# Altium PCB Altair 8800 Panel v1.1.PcbDoc
Units mm, origin at the board's own origin, x right, y up, seen from the top; angles counter-clockwise.
Board outline 180.97 x 99.06 mm, 2 copper layers (F.Cu, B.Cu); 69 components, 113 nets, 322 pads, 27 vias.
Unrouted connection lines stored in the file: 1.
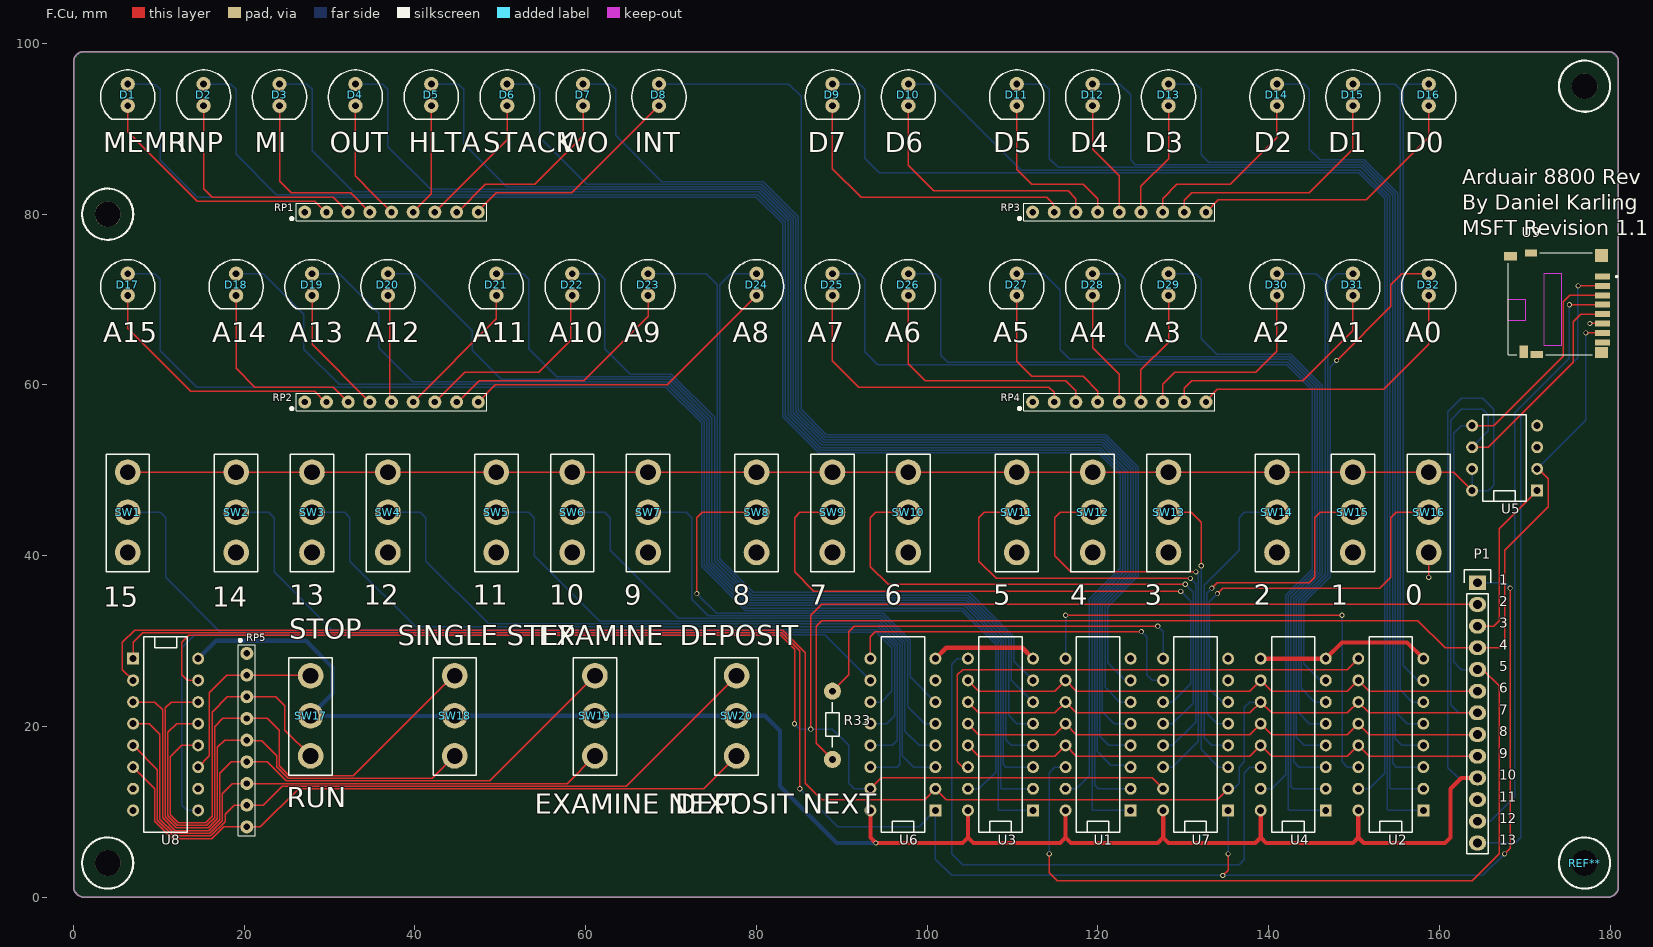
[diagram p0: F.Cu view]
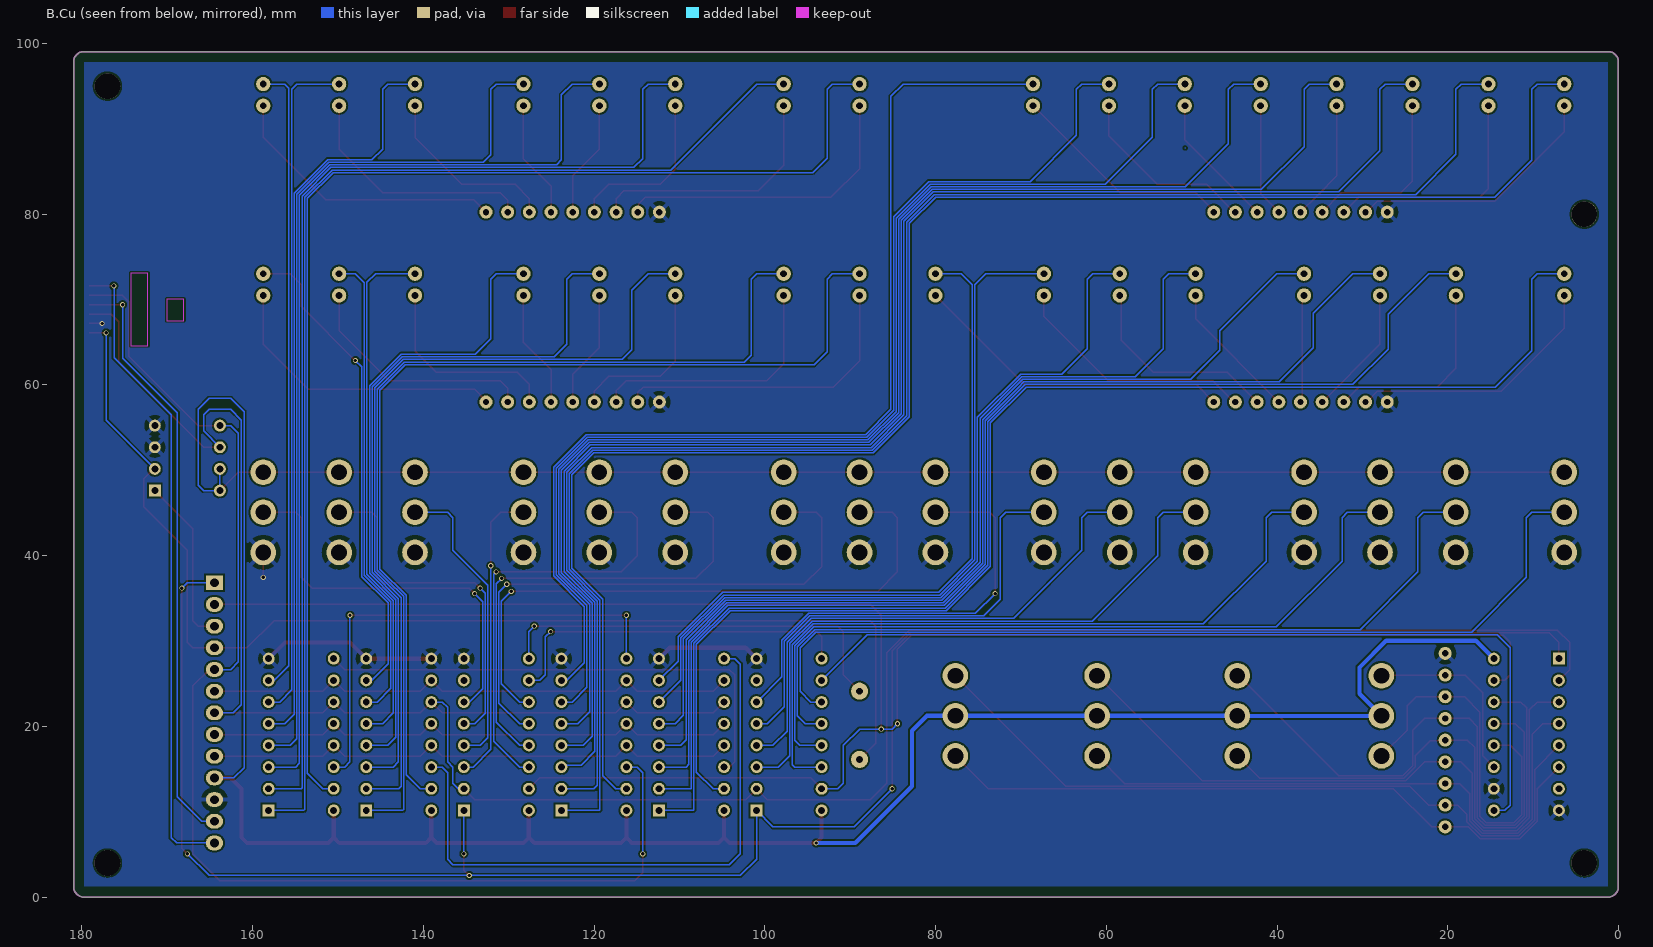
[diagram p1: B.Cu view, seen from below]

## Layer stack, top to bottom
F.Mask: solder mask 0.0102, Solder Resist, Dk 3.5
F.Cu: signal copper 0.0356
Dielectric 1: dielectric 0.32, FR-4, Dk 4.8
B.Cu: signal copper 0.0356
B.Mask: solder mask 0.0102, Solder Resist, Dk 3.5

## Board outline
0,1.27 ccw(c1.27,1.27) 1.27,0 179.705,0 ccw(c179.705,1.27) 180.975,1.27 180.975,97.79 ccw(c179.705,97.79) 179.705,99.06 1.27,99.06 ccw(c1.27,97.79) 0,97.79

## Design rules (kind name [scope] priority, off if disabled: settings)
Clearance "Clearence 0.508_Polygon" [InNamedPolygon('B.Cu-GND')] p1: gap=0.2 ignorepadtopadclearanceinfootprint=FALSE
Clearance "Clearence 0.2_NetClass" [InNetClass('Default')] p2: gap=0.152 ignorepadtopadclearanceinfootprint=FALSE
HoleSize "Hole Size (Default)" [All] p1: absolutevalues=TRUE maxlimit=10 minlimit=0.3 maxpercent=80.000 minpercent=20.000
MinimumSolderMaskSliver [All] p1: minsoldermaskwidth=0
PolygonConnect Polygon_B.Cu-GND_ConnectDirect [IsNamedPolygon('B.Cu-GND') vs IsVia] p1: connectstyle=Direct reliefconductorwidth=0.254 reliefentries=4 polygonreliefangle="90 Angle" airgapwidth=0.254
PolygonConnect Polygon_B.Cu-GND_ConnectRelief45 [IsNamedPolygon('B.Cu-GND') vs (IsThruPin or IsSMTPin) and (PadShape_AllLayers = 'Round')] p2: connectstyle=Relief reliefconductorwidth=0.508 reliefentries=4 polygonreliefangle="45 Angle" airgapwidth=0.508
PolygonConnect Polygon_B.Cu-GND_ConnectRelief90 [IsNamedPolygon('B.Cu-GND') vs (IsThruPin or IsSMTPin) and (PadShape_AllLayers <> 'Round')] p3: connectstyle=Relief reliefconductorwidth=0.508 reliefentries=4 polygonreliefangle="90 Angle" airgapwidth=0.508
RoutingVias [All] p1: holewidth=0.711 width=1.27 viastyle="Through Hole" minholewidth=0.711 minwidth=1.27 maxholewidth=0.711 maxwidth=1.27
SilkToSilkClearance [All] p1: silktosilkclearance=0
SilkToSolderMaskClearance [IsPad] p1: minsilkscreentomaskgap=0 clearancetoexposedcopper=TRUE
SolderMaskExpansion [All] p1: expansion=0.102 istentingtop=FALSE
Width [All] p1: maxlimit=10 minlimit=0.152 preferedwidth=0.152 minimp=50.000000 maximp=50.000000 favimp=50.000000
26 further rules are at their usual default settings.

## Classes and differential pairs
net class Default: CLK GND LA1 LA2 LA3 LA4 LA5 LA6 LA7 LA8 LB1 LB2 LB3 LB4 LB5 LB6 LB7 LB8 LC1 LC2 LC3 LC4 LC5 LC6 LC7 LC8 LD1 LD2 LD3 LD4 LD5 LD6 LD7 LD8 LEDSTORE MEM_CS MISO MOSI MR Net-(D1-Pad2) Net-(D2-Pad2) Net-(D3-Pad2) Net-(D4-Pad2) Net-(D5-Pad2) Net-(D6-Pad2) Net-(D7-Pad2) Net-(D8-Pad2) Net-(D9-Pad2) Net-(D10-Pad2) Net-(D11-Pad2) Net-(D12-Pad2) Net-(D13-Pad2) Net-(D14-Pad2) Net-(D15-Pad2) Net-(D16-Pad2) Net-(D17-Pad2) Net-(D18-Pad2) Net-(D19-Pad2) Net-(D20-Pad2) Net-(D21-Pad2) Net-(D22-Pad2) Net-(D23-Pad2) Net-(D24-Pad2) Net-(D25-Pad2) Net-(D26-Pad2) Net-(D27-Pad2) Net-(D28-Pad2) Net-(D29-Pad2) Net-(D30-Pad2) Net-(D31-Pad2) Net-(D32-Pad2) Net-(R33-Pad1) Net-(SW17-Pad2) Net-(SW18-Pad2) Net-(SW19-Pad2) Net-(SW20-Pad2) Net-(U1-Pad9) Net-(U2-Pad9) Net-(U3-Pad9) Net-(U6-Pad9) Net-(U6-Pad10) Net-(U9-Pad8) OE SD_SC SWA1 SWA2 SWA3 SWA4 SWA5 SWA6 SWA7 SWA8 SWB1 SWB2 SWB3 SWB4 SWB5 SWB6 SWB7 SWB8 SWC1 SWC2 SWC3 SWC4 SWC5 SWC6 SWC7 SWC8 SWITCH_CS SWITCH_LOAD VCC VCC33

## Components (designator, comment, footprint, x,y, rotation, side; value= is the part's Value field where it differs from the comment)
D1 "LED" LED-5MM 6.35,93.98 r270 top
D2 "LED" LED-5MM 15.24,93.98 r270 top
D3 "LED" LED-5MM 24.13,93.98 r270 top
D4 "LED" LED-5MM 33.02,93.98 r270 top
D5 "LED" LED-5MM 41.91,93.98 r270 top
D6 "LED" LED-5MM 50.8,93.98 r270 top
D7 "LED" LED-5MM 59.69,93.98 r270 top
D8 "LED" LED-5MM 68.58,93.98 r270 top
D9 "LED" LED-5MM 88.9,93.98 r270 top
D10 "LED" LED-5MM 97.79,93.98 r270 top
D11 "LED" LED-5MM 110.49,93.98 r270 top
D12 "LED" LED-5MM 119.38,93.98 r270 top
D13 "LED" LED-5MM 128.27,93.98 r270 top
D14 "LED" LED-5MM 140.97,93.98 r270 top
D15 "LED" LED-5MM 149.86,93.98 r270 top
D16 "LED" LED-5MM 158.75,93.98 r270 top
D17 "LED" LED-5MM 6.35,71.755 r270 top
D18 "LED" LED-5MM 19.05,71.755 r270 top
D19 "LED" LED-5MM 27.94,71.755 r270 top
D20 "LED" LED-5MM 36.83,71.755 r270 top
D21 "LED" LED-5MM 49.53,71.755 r270 top
D22 "LED" LED-5MM 58.42,71.755 r270 top
D23 "LED" LED-5MM 67.31,71.755 r270 top
D24 "LED" LED-5MM 80.01,71.755 r270 top
D25 "LED" LED-5MM 88.9,71.755 r270 top
D26 "LED" LED-5MM 97.79,71.755 r270 top
D27 "LED" LED-5MM 110.49,71.755 r270 top
D28 "LED" LED-5MM 119.38,71.755 r270 top
D29 "LED" LED-5MM 128.27,71.755 r270 top
D30 "LED" LED-5MM 140.97,71.755 r270 top
D31 "LED" LED-5MM 149.86,71.755 r270 top
D32 "LED" LED-5MM 158.75,71.755 r270 top
P1 "CONN_01X09" Pin_Header_Straight_1x13 164.465,36.83 r0 top
R33 "220R" Resistor_Horizontal_RM10mm 88.9,19.05 r270 top
REF** "MountingHole_3mm" MountingHole_3mm 177,5.585 r0 top
RP1 "Comment" 4609X-101-331LF 37.25,80.25 r0 top
RP2 "Comment" 4609X-101-331LF 37.25,58 r0 top
RP3 "Comment" 4609X-101-331LF 122.5,80.25 r0 top
RP4 "Comment" 4609X-101-331LF 122.5,58 r0 top
RP5 "Comment" 4609X-101-331LF 20.3,18.395 r270 top
SW1 "SWITCH_INV" SwitchOnOn 6.35,42.545 r180 top
SW2 "SWITCH_INV" SwitchOnOn 19.05,42.545 r180 top
SW3 "SWITCH_INV" SwitchOnOn 27.94,42.545 r180 top
SW4 "SWITCH_INV" SwitchOnOn 36.83,42.545 r180 top
SW5 "SWITCH_INV" SwitchOnOn 49.53,42.545 r180 top
SW6 "SWITCH_INV" SwitchOnOn 58.42,42.545 r180 top
SW7 "SWITCH_INV" SwitchOnOn 67.31,42.545 r180 top
SW8 "SWITCH_INV" SwitchOnOn 80.01,42.545 r180 top
SW9 "SWITCH_INV" SwitchOnOn 88.9,42.545 r180 top
SW10 "SWITCH_INV" SwitchOnOn 97.79,42.545 r180 top
SW11 "SWITCH_INV" SwitchOnOn 110.49,42.545 r180 top
SW12 "SWITCH_INV" SwitchOnOn 119.38,42.545 r180 top
SW13 "SWITCH_INV" SwitchOnOn 128.27,42.545 r180 top
SW14 "SWITCH_INV" SwitchOnOn 140.97,42.545 r180 top
SW15 "SWITCH_INV" SwitchOnOn 149.86,42.545 r180 top
SW16 "SWITCH_INV" SwitchOnOn 158.75,42.545 r180 top
SW17 "SWITCH_INV" SwitchOnOn 27.775,18.71 r180 top
SW18 "SWITCH_INV" SwitchOnOn 44.65,18.71 r180 top
SW19 "SWITCH_INV" SwitchOnOn 61.075,18.71 r180 top
SW20 "SWITCH_INV" SwitchOnOn 77.675,18.71 r180 top
U1 "74HC595" DIP-16__300 120.015,19.05 r90 top
U2 "74HC595" DIP-16__300 154.305,19.05 r90 top
U3 "74HC595" DIP-16__300 108.585,19.05 r90 top
U4 "74HC595" DIP-16__300 142.875,19.05 r90 top
U5 "23LC1024" DIP-8__300 167.64,51.435 r90 top
U6 "74LS165" DIP-16__300 97.155,19.05 r90 top
U7 "74LS165" DIP-16__300 131.445,19.05 r90 top
U8 "74LS165" DIP-16__300 10.795,19.05 r270 top
U9 "Comment" 114-00841-68 178.25,69.5 r90 top locked

## Footprints (in the part's own frame and the unit in brackets; to place one, negate y for a bottom-side part, rotate by r counter-clockwise, add the part's x,y. Pads: shape width x height; smd on the part's side, far side on the other; paste and mask are expansions set on the pad)
114-00841-68 [mm]
  rect 0.7x1.75 smd: 1(3.2,-0.875) 2(2.1,-0.875) 3(1,-0.875) 4(-0.1,-0.875) 5(-1.2,-0.875) 6(-2.3,-0.875) 7(-3.4,-0.875) 8(-4.5,-0.875)
  rect 1x1.55 smd: 9(5.575,9.925)
  rect 1.45x1 smd: 10(-5.625,8.35)
  rect 1.5x1.5 smd: S1(5.65,-0.75)
  rect 1.3x1.5 smd: S2(-5.7,-0.75)
  rect 0.8x1.4 smd: S3(5.975,7.5)
  rect 0.8x1.5 smd: S4(-5.95,6.85)
  Edge.Cuts region: 3.6,4 -4.9,4 -4.9,6 3.6,6
  Edge.Cuts region: 0.55,8.2 -1.95,8.2 -1.95,10.2 0.55,10.2
  Edge.Cuts region: 0.55,8.2 -1.95,8.2 -1.95,10.2 0.55,10.2
  Edge.Cuts region: 3.6,4 -4.9,4 -4.9,6 3.6,6
  silkscreen extent -5.97,-2.6 5.97,10.2
4609X-101-331LF [mil]
  round 60 hole 29.53: 1(-400,0) 2(-300,0) 3(-200,0) 4(-100,0) 5(0,0) 6(100,0) 7(200,0) 8(300,0) 9(400,0)
  silkscreen extent -466,-40 440,40
DIP-8__300 [mil]
  rect 55x55 hole 32 paste-55 mask+7.87: 1(-150,-150)
  round 55 hole 32 paste-55 mask+7.87: 2(-50,-150) 3(50,-150) 4(150,-150) 5(150,150) 6(50,150) 7(-50,150) 8(-150,150)
  silkscreen extent -200,-100 200,100
DIP-16__300 [mil]
  rect 55x55 hole 32 paste-55 mask+7.87: 1(-350,-150)
  round 55 hole 32 paste-55 mask+7.87: 2(-250,-150) 3(-150,-150) 4(-50,-150) 5(50,-150) 6(150,-150) 7(250,-150) 8(350,-150) 9(350,150) 10(250,150) 11(150,150) 12(50,150) 13(-50,150) 14(-150,150) 15(-250,150) 16(-350,150)
  silkscreen extent -450,-100 450,100
LED-5MM [mil]
  round 66 hole 32 paste-66 mask+7.87: 1(-50,0) 2(50,0)
  silkscreen extent -115,-125 112,125
MountingHole_3mm [mm]
  round 3 hole 3 paste-3 mask-3: 0(0,-1.585)
Pin_Header_Straight_1x13 [mil]
  rect 80x68 hole 40 paste-80 mask+7.87: 1(0,0)
  rrect100% 80x68 hole 40 paste-80 mask+7.87: 2(0,-100) 3(0,-200) 4(0,-300) 5(0,-400) 6(0,-500) 7(0,-600) 8(0,-700) 9(0,-800) 10(0,-900) 11(0,-1000) 12(0,-1100) 13(0,-1200)
  silkscreen extent -61,-1250 61,61
Resistor_Horizontal_RM10mm [mm]
  round 1.999 hole 0.8 paste-1.999 mask+0.2: 1(-5.08,0) 2(2.92,0)
  silkscreen extent -3.81,-0.77 1.47,0.77
SwitchOnOn [mm]
  round 3 hole 1.85 paste-2 mask+0.2: 1(0,2.16) 2(0,-2.54) 3(0,-7.24)
  silkscreen extent -2.54,-9.36 2.54,4.42

## Part data
D1 D2 D3 D4 D5 D6 D7 D8 D9 D10 D11 D12 D13 D14 D15 D16 D17 D18 D19 D20 D21 D22 D23 D24 D25 D26 D27 D28 D29 D30 D31 D32: library part LED-5MM, "LED 5mm - Lead pitch 100mil (2,54mm)"
P1: library part Pin_Header_Straight_1x13, "Through hole pin header"
R33: library part Resistor_Horizontal_RM10mm, "Resistor, Axial,  RM 10mm, 1/3W,"
REF**: "Mounting hole, Befestigungsbohrung, 3mm, No Annular, Kein Restring,"
SW1 SW2 SW3 SW4 SW5 SW6 SW7 SW8 SW9 SW10 SW11 SW12 SW13 SW14 SW15 SW16 SW17 SW18 SW19 SW20: library part SwitchOnOn
U1 U2 U3 U4 U6 U7 U8: library part DIP-16__300, "16 pins DIL package, round pads"
U5: library part DIP-8__300, "8 pins DIL package, round pads"

## Free pads (board coordinates)
  round 3 hole 3 unplated: 0(4,4) 0(4,80) 0(177,95)

## Via types
v1: diameter 0.6, hole 0.4, F.Cu to B.Cu, tented both sides, 27 vias

## Nets (pads, with @x,y where several pads share a name; then routed paths per layer and width w, separated by ;. In a path a pad name is that pad's centre, name@x,y a point inside that pad or via, vN(x,y) a via of type N, cw(c..) or ccw(c..) an arc to the next point about the centre after c; other vN are vias at no path point)
CLK: P1.7 U1.11 U2.11 U3.11 U4.11 U5.6 U6.2 U7.2 U8.2 U9.5 | length 301.3
  F.Cu w0.152: U8.2 5.715,26.67 5.715,29.845 7.145,31.275 83.1,31.275 85.725,28.65 85.725,13.335 87.63,11.43 99.695,11.43 U6.2 102.235,11.43 133.985,11.43 U7.2 ; U3.11 106.045,21.59 114.935,21.59 U1.11 117.475,21.59 137.795,21.59 U4.11 140.335,21.59 149.225,21.59 U2.11 151.765,21.59 P1.7 ; U5.6 165.735,52.705 175.7,62.67 175.7,67.4 176.575,68.275 U9.5@179.125,68.275
  B.Cu w0.152: U7.2 135.89,12.7 136.525,13.335 136.525,15.24 137.16,15.875 137.16,22.225 137.795,22.86 U4.11 ; U5.6 165.735,54.61 165.735,56.515 165.1,57.15 162.56,57.15 161.305,55.895 161.305,22.545 162.26,21.59 P1.7
GND: P1.11 RP1.1 RP2.1 RP3.1 RP4.1 RP5.1 SW1.1 SW2.1 SW3.1 SW4.1 SW5.1 SW6.1 SW7.1 SW8.1 SW9.1 SW10.1 SW11.1 SW12.1 SW13.1 SW14.1 SW15.1 SW16.1 U1.8 U2.8 U3.8 U4.8 U4.9 U5.3 U5.4 U6.8 U7.8 U8.8 U8.10 U9.6 | length 37.5
  F.Cu w0.152: v1(158.75,37.465) SW16.1 ; v1(177.625,67.2) U9.6
  F.Cu w0.5: U6.8 102.235,29.21 111.125,29.21 U3.8 ; U4.9 U4.8 148.59,29.845 156.21,29.845 U2.8
LA1: D1.1 U1.15 | length 193.5
  B.Cu w0.152: D1.1 9.525,95.25 10.16,94.615 10.16,86.34 14.5,82 80,82 83.08,78.92 83.08,56.257 87.287,52.05 120.035,52.05 122.6,49.485 122.6,38.525 119,34.925 119,14.225 117.475,12.7 U1.15
LA2: D2.1 U1.1 | length 189.7
  B.Cu w0.152: D2.1 18.415,95.25 19.05,94.615 19.05,87 23.745,82.305 80.126,82.305 83.39,79.041 83.39,56.385 87.415,52.361 120.171,52.361 122.906,49.626 122.906,38.4 119.305,34.799 119.305,10.249 119.394,10.16 U1.1
LA3: D3.1 U1.2 | length 177.9
  B.Cu w0.152: D3.1 27.305,95.25 27.94,94.615 27.94,87.46 32.79,82.61 80.253,82.61 83.695,79.167 83.695,56.512 87.541,52.665 120.297,52.665 123.211,49.752 123.211,38.273 119.61,34.672 119.61,13.105 120.015,12.7 U1.2
LA4: D4.1 U1.3 | length 165.4
  B.Cu w0.152: D4.1 36.195,95.25 36.83,94.615 36.83,87.92 41.836,82.914 80.379,82.914 84,79.293 84,56.638 87.668,52.97 120.424,52.97 123.515,49.879 123.515,38.147 119.914,34.546 119.914,17.086 121.522,15.478 123.587,15.478 U1.3
LA5: D5.1 U1.4 | length 154.3
  B.Cu w0.152: D5.1 45.085,95.25 45.72,94.615 45.72,88.255 50.756,83.219 80.505,83.219 84.305,79.419 84.305,56.764 87.794,53.275 120.55,53.275 123.82,50.005 123.82,38.021 120.219,34.42 120.219,18.846 121.285,17.78 U1.4
LA6: D6.1 U1.5 | length 142.3
  B.Cu w0.152: D6.1 53.975,95.25 54.61,94.615 54.61,89.04 60.126,83.524 80.631,83.524 84.61,79.546 84.61,56.89 87.92,53.58 120.676,53.58 124.125,50.131 124.125,37.895 120.524,34.294 120.524,21.716 121.92,20.32 U1.5
LA7: D7.1 U1.6 | length 130.7
  B.Cu w0.152: D7.1 62.865,95.25 63.5,94.615 63.5,89.225 68.896,83.829 80.766,83.829 84.914,79.68 84.914,57.017 88.046,53.885 120.803,53.885 124.43,50.257 124.43,37.768 120.829,34.167 120.829,24.586 122.555,22.86 U1.6
LA8: D8.1 U1.7 | length 124.2
  B.Cu w0.152: D8.1 83.775,95.25 85.219,93.806 85.219,57.143 88.173,54.189 120.929,54.189 124.735,50.384 124.735,37.642 121.134,34.041 121.134,27.456 123.19,25.4 U1.7
LB1: D9.1 U2.15 | length 146.2
  B.Cu w0.152: D9.1 92.075,95.25 92.71,94.615 92.71,86.54 94.375,84.875 150.57,84.875 153.6,81.845 153.6,14.535 151.765,12.7 U2.15
LB2: D10.1 U2.1 | length 137.6
  B.Cu w0.152: D10.1 100.965,95.25 111.035,85.18 150.696,85.18 153.905,81.971 153.905,10.249 153.994,10.16 U2.1
LB3: D11.1 U2.2 | length 127.2
  B.Cu w0.152: D11.1 113.665,95.25 114.3,94.615 114.3,86.525 115.34,85.485 150.822,85.485 154.21,82.097 154.21,12.795 154.305,12.7 U2.2
LB4: D12.1 U2.3 | length 115.3
  B.Cu w0.152: D12.1 122.555,95.25 123.825,93.98 123.825,86.36 124.396,85.789 150.948,85.789 154.514,82.223 154.514,15.666 154.94,15.24 U2.3
LB5: D13.1 U2.4 | length 103.8
  B.Cu w0.152: D13.1 131.445,95.25 132.08,94.615 132.08,86.995 132.981,86.094 151.075,86.094 154.819,82.35 154.819,18.536 155.575,17.78 U2.4
LB6: D14.1 U2.5 | length 88
  B.Cu w0.152: D14.1 141.605,95.25 144.145,95.25 144.78,94.615 144.78,87.63 146.011,86.399 151.201,86.399 155.124,82.476 155.124,21.406 156.21,20.32 U2.5
LB7: D15.1 U2.6 | length 79.5
  B.Cu w0.152: D15.1 154.836,95.25 155.429,94.657 155.429,24.276 156.845,22.86 U2.6
LB8: D16.1 U2.7 | length 73.9
  B.Cu w0.152: U2.7 157.48,25.4 155.75,27.13 155.75,94.75 156.25,95.25 158.115,95.25 D16.1
LC1: D17.1 U3.15 | length 153.4
  B.Cu w0.152: D17.1 9.525,73.025 10.16,72.39 10.16,64.015 14.425,59.75 69.388,59.75 73.566,55.571 73.566,38.741 78.742,33.565 104.06,33.565 108,29.625 108,14.655 106.045,12.7 U3.15
LC2: D18.1 U3.1 | length 143
  B.Cu w0.152: D18.1 22.225,73.025 26.995,68.255 26.995,64.189 31.129,60.055 69.514,60.055 70.179,59.39 73.871,55.698 73.871,38.867 78.868,33.87 104.186,33.87 108.305,29.751 108.305,10.249 108.394,10.16 U3.1
LC3: D19.1 U3.2 | length 131.7
  B.Cu w0.152: D19.1 31.115,73.025 35.732,68.408 35.732,64.342 39.714,60.36 69.64,60.36 70.305,59.695 74.176,55.824 74.176,38.994 78.995,34.175 104.312,34.175 108.61,29.878 108.61,12.789 108.699,12.7 U3.2
LC4: D20.1 U3.3 | length 119.2
  B.Cu w0.152: D20.1 40.005,73.025 46.692,66.338 46.692,64.058 50.086,60.664 69.767,60.664 70.431,60 74.481,55.95 74.481,39.12 79.121,34.48 104.438,34.48 108.914,30.004 108.914,15.546 109.22,15.24 U3.3
LC5: D21.1 U3.4 | length 107.2
  B.Cu w0.152: D21.1 52.705,73.025 53.34,72.39 53.34,64.249 56.62,60.969 69.893,60.969 70.557,60.305 74.786,56.077 74.786,39.246 79.247,34.785 104.565,34.785 109.219,30.13 109.219,18.416 109.855,17.78 U3.4
LC6: D22.1 U3.5 | length 95.7
  B.Cu w0.152: D22.1 61.595,73.025 62.23,72.39 62.23,67.095 62.23,64.27 65.226,61.274 70.019,61.274 75.09,56.203 75.09,39.372 79.374,35.089 104.691,35.089 109.524,30.256 109.524,21.286 110.49,20.32 U3.5
LC7: D23.1 U3.6 | length 87.6
  B.Cu w0.152: D23.1 74.1,73.025 75.395,71.73 75.395,41.066 75.395,39.499 79.5,35.394 104.817,35.394 109.829,30.383 109.829,25.426 U3.6
LC8: D24.1 U3.7 | length 81.2
  B.Cu w0.152: D24.1 77,73.025 75.7,71.725 75.7,39.625 79.6,35.725 104.917,35.725 110.134,30.509 110.134,27.661 U3.7
LD1: D25.1 U4.15 | length 116.7
  B.Cu w0.152: D25.1 92.075,73.025 92.71,72.39 92.71,63.865 94.2,62.375 142.1,62.375 145.075,59.4 145.075,38.425 142,35.35 142,14.365 140.335,12.7 U4.15
LD2: D26.1 U4.1 | length 113.4
  B.Cu w0.152: D26.1 100.965,73.025 101.6,72.39 101.6,63.5 102.42,62.68 142.226,62.68 145.38,59.526 145.38,38.299 144.145,37.064 142.305,35.224 142.305,10.249 142.394,10.16 U4.1
LD3: D27.1 U4.2 | length 97
  B.Cu w0.152: D27.1 113.665,73.025 115.57,71.12 115.57,64.135 116.72,62.985 142.353,62.985 145.685,59.653 145.685,38.172 144.78,37.268 142.61,35.097 142.61,12.965 142.875,12.7 U4.2
LD4: D28.1 U4.3 | length 85.8
  B.Cu w0.152: D28.1 122.555,73.025 123.19,72.39 123.19,64.77 124.671,63.289 142.479,63.289 145.989,59.779 145.989,38.046 142.914,34.971 142.914,15.836 143.51,15.24 U4.3
LD5: D29.1 U4.4 | length 73.9
  B.Cu w0.152: D29.1 131.445,73.025 132.08,72.39 132.08,65.405 133.891,63.594 142.605,63.594 146.294,59.905 146.294,37.92 143.219,34.845 143.219,18.706 144.145,17.78 U4.4
LD6: D30.1 U4.5 | length 61.5
  B.Cu w0.152: D30.1 145.6,73.025 146.615,72.01 146.615,37.81 143.524,34.719 143.524,21.576 144.78,20.32 U4.5
LD7: D31.1 U4.6 | length 55.7
  B.Cu w0.152: U4.6 145.415,22.86 143.829,24.446 143.829,34.592 146.92,37.684 146.92,71.99 147.955,73.025 D31.1
LD8: D32.1 U4.7 | length 57
  F.Cu w0.152: v1(147.955,62.865) 154.305,69.215 154.305,71.755 155.575,73.025 D32.1
  B.Cu w0.152: U4.7 146.05,25.4 144.134,27.316 144.134,34.466 147.225,37.558 147.225,62.135 v1(147.955,62.865)
LEDSTORE: P1.8 U1.12 U2.12 U3.12 U4.12 | length 63.4
  F.Cu w0.152: U3.12 106.045,19.05 114.935,19.05 U1.12 117.475,19.05 137.795,19.05 U4.12 140.335,19.05 149.225,19.05 U2.12 151.765,19.05 P1.8
MEM_CS: P1.3 U5.1 | length 19.9
  F.Cu w0.152: P1.3 166.37,31.75 167.005,32.385 167.005,43.18 U5.1
MISO: P1.4 R33.2 U5.2 U9.7 | length 142.2
  F.Cu w0.152: R33.2 86.995,18.035 86.995,31.75 87.63,32.385 157.48,32.385 160.655,29.21 P1.4 167.005,29.21 167.64,29.845 167.64,40.64 172.72,45.72 172.72,49.03 171.585,50.165 U5.2 ; v1(177.149,66.1) U9.7
  B.Cu w0.152: U5.2 177.149,55.864 v1(177.149,66.1)
MOSI: P1.5 U1.14 U5.5 U9.3 | length 149.2
  F.Cu w0.152: v1(114.3,5.08) 114.3,2.85 115.245,1.905 163.83,1.905 167.005,5.08 167.005,24.765 165.1,26.67 P1.5 ; U5.5 166.37,55.245 174.479,63.354 174.479,69.729 175.25,70.5 U9.3
  B.Cu w0.152: v1(114.3,5.08) 114.3,14.605 114.935,15.24 U1.14 ; U5.5 162.56,55.245 161.65,54.335 161.65,27.58 162.56,26.67 P1.5
MR: P1.6 U1.10 U2.10 U3.10 U4.10 | length 63.4
  F.Cu w0.152: U3.10 106.045,24.13 114.935,24.13 U1.10 117.475,24.13 137.795,24.13 U4.10 140.335,24.13 149.225,24.13 U2.10 151.765,24.13 P1.6
Net-(D1-Pad2): D1.2 RP1.2 | length 29.8
  F.Cu w0.152: D1.2 6.35,89.65 14.5,81.5 28.25,81.5 29,80.75 29.125,80.625 RP1.2@29.25,80.5
Net-(D2-Pad2): D2.2 RP1.3 | length 27.8
  F.Cu w0.152: D2.2 15.25,92.7 15.25,83 16.25,82 30.42,82 RP1.3
  B.Cu w0.152: D2.2 D2.2@15.259,92.691
Net-(D3-Pad2): D3.2 RP1.4 | length 21
  F.Cu w0.152: D3.2 24.13,83.87 25.5,82.5 32.46,82.5 RP1.4
  B.Cu w0.152: D3.2 D3.2@24.19,92.65
Net-(D4-Pad2): D4.2 RP1.5 | length 14.2
  F.Cu w0.152: D4.2 33.02,84.48 35.25,82.25 RP1.5
  B.Cu w0.152: D4.2@33.01,92.7 D4.2
Net-(D5-Pad2): D5.2 RP1.6 | length 13.5
  F.Cu w0.152: RP1.6 39.79,80.29 41.91,82.41 D5.2
  B.Cu w0.152: D5.2@41.83,92.63 D5.2
Net-(D6-Pad2): D6.2 RP1.7 | length 16
  F.Cu w0.152: RP1.7 50.8,88.72 D6.2
  B.Cu w0.152: 50.75,87.75 50.775,87.775 ; D6.2@50.775,92.685 D6.2
Net-(D7-Pad2): D7.2 RP1.8 | length 22
  F.Cu w0.152: RP1.8 45,80.25 48.25,83.5 54,83.5 59.69,89.19 D7.2
Net-(D8-Pad2): D8.2 RP1.9 | length 26.4
  F.Cu w0.152: RP1.9 47.41,80.41 49.5,82.5 58.37,82.5 D8.2
Net-(D9-Pad2): D9.2 RP3.2 | length 36
  F.Cu w0.152: D9.2 88.9,85.35 92.25,82 114,82 114.759,81.241 114.759,80.371 RP3.2
Net-(D10-Pad2): D10.2 RP3.3 | length 29.8
  F.Cu w0.152: D10.2 97.79,85.71 100.75,82.75 116.5,82.75 117.42,81.83 RP3.3
Net-(D11-Pad2): D11.2 RP3.4 | length 19.9
  F.Cu w0.152: D11.2 110.49,85.26 112.25,83.5 118.25,83.5 119.96,81.79 RP3.4
Net-(D12-Pad2): D12.2 RP3.5 | length 13.8
  F.Cu w0.152: D12.2 119.38,87.62 122.5,84.5 RP3.5
Net-(D13-Pad2): D13.2 RP3.6 | length 13.8
  F.Cu w0.152: RP3.6 125.04,83.29 128.27,86.52 D13.2
Net-(D14-Pad2): D14.2 RP3.7 | length 21.7
  F.Cu w0.152: RP3.7 127.58,81.83 129.25,83.5 135.5,83.5 140.97,88.97 D14.2
Net-(D15-Pad2): D15.2 RP3.8 | length 28.7
  F.Cu w0.152: RP3.8 130.12,81.62 131,82.5 144.75,82.5 149.86,87.61 D15.2
Net-(D16-Pad2): D16.2 RP3.9 | length 33.4
  F.Cu w0.152: RP3.9 134.105,81.695 151.445,81.695 158.75,89 D16.2
Net-(D17-Pad2): D17.2 RP2.2 | length 30.7
  F.Cu w0.152: D17.2 6.35,66.65 13.75,59.25 28.25,59.25 29.5,58 RP2.2
Net-(D18-Pad2): D18.2 RP2.3 | length 23.3
  F.Cu w0.152: D18.2 19.05,61.95 21.25,59.75 30.42,59.75 RP2.3
Net-(D19-Pad2): D19.2 RP2.4 | length 15.3
  F.Cu w0.152: D19.2 27.94,64.77 RP2.4
Net-(D20-Pad2): D20.2 RP2.5 | length 12.7
  F.Cu w0.152: D20.2 37.04,70.275 37.04,58.21 RP2.5
Net-(D21-Pad2): D21.2 RP2.6 | length 16.5
  F.Cu w0.152: RP2.6 49.53,67.74 D21.2
Net-(D22-Pad2): D22.2 RP2.7 | length 24.2
  F.Cu w0.152: RP2.7 45.83,61.5 54.5,61.5 58.25,65.25 58.25,70.315 D22.2
Net-(D23-Pad2): D23.2 RP2.8 | length 29
  F.Cu w0.152: RP2.8 45,58 47.5,60.5 59.75,60.5 67.31,68.06 D23.2
Net-(D24-Pad2): D24.2 RP2.9 | length 37.8
  F.Cu w0.152: RP2.9 49.41,60 69.525,60 D24.2
Net-(D25-Pad2): D25.2 RP4.2 | length 36.3
  F.Cu w0.152: D25.2 88.9,62.85 92,59.75 114.25,59.75 114.88,59.12 RP4.2
Net-(D26-Pad2): D26.2 RP4.3 | length 30.3
  F.Cu w0.152: D26.2 97.79,62.46 99.75,60.5 116.25,60.5 117.25,59.5 117.375,59.375 117.375,58.045 RP4.3
Net-(D27-Pad2): D27.2 RP4.4 | length 19.9
  F.Cu w0.152: D27.2 110.49,62.76 112.25,61 118.25,61 119.96,59.29 RP4.4
Net-(D28-Pad2): D28.2 RP4.5 | length 13.8
  F.Cu w0.152: D28.2 119.38,64.37 122.5,61.25 RP4.5
Net-(D29-Pad2): D29.2 RP4.6 | length 13.8
  F.Cu w0.152: RP4.6 125.04,61.79 128.27,65.02 D29.2
Net-(D30-Pad2): D30.2 RP4.7 | length 23.6
  F.Cu w0.152: RP4.7 127.58,60.08 129,61.5 138.5,61.5 140.97,63.97 D30.2
Net-(D31-Pad2): D31.2 RP4.8 | length 28.3
  F.Cu w0.152: RP4.8 130.12,59.62 131,60.5 144,60.5 149.86,66.36 D31.2
Net-(D32-Pad2): D32.2 RP4.9 | length 34.7
  F.Cu w0.152: RP4.9 132.66,58.16 134,59.5 153.5,59.5 158.75,64.75 D32.2
Net-(R33-Pad1): R33.1 U7.9 | length 48.3
  F.Cu w0.152: R33.1 90.805,26.035 90.805,31.115 91.44,31.75 v1(127,31.75)
  B.Cu w0.152: v1(127,31.75) 127.635,31.115 U7.9
Net-(SW17-Pad2): 
Net-(SW18-Pad2): 
Net-(SW19-Pad2): 
Net-(SW20-Pad2): 
Net-(U1-Pad9): U1.9 U2.14 | length 57.4
  F.Cu w0.152: U1.9 U1.9@116.205,28.575 ; v1(116.205,33.02) v1(148.59,33.02)
  B.Cu w0.152: U1.9 v1(116.205,33.02) ; v1(148.59,33.02) 148.59,15.875 149.225,15.24 U2.14
Net-(U2-Pad9): U2.9 U3.14 | length 59.5
  F.Cu w0.152: U3.14 104.14,15.24 103.505,15.875 103.505,26.035 104.14,26.67 149.225,26.67 U2.9
Net-(U3-Pad9): U3.9 U4.14 | length 72.4
  B.Cu w0.152: U3.9@104.14,27.94 U3.9 103.505,27.94 102.87,27.305 102.87,5.08 104.14,3.81 136.525,3.81 137.16,4.445 137.16,14.605 137.795,15.24 U4.14
Net-(U6-Pad9): U6.9 U7.10 | length 42.1
  F.Cu w0.152: U6.9 93.345,30.52 93.94,31.115 v1(125.095,31.115)
  B.Cu w0.152: v1(125.095,31.115) 125.73,30.48 125.73,26.035 126.365,25.4 U7.10
Net-(U6-Pad10): U6.10 U8.9 | length 104.1
  B.Cu w0.152: U8.9 13.335,10.16 12.7,10.795 12.7,29.21 14.215,30.725 88.02,30.725 U6.10
Net-(U9-Pad8): 
OE: P1.9 U1.13 U2.13 U3.13 U4.13 | length 63.4
  F.Cu w0.152: U3.13 106.045,16.51 114.935,16.51 U1.13 117.475,16.51 137.795,16.51 U4.13 140.335,16.51 149.225,16.51 U2.13 151.765,16.51 P1.9
SD_SC: P1.13 U9.2 | length 75.6
  F.Cu w0.152: v1(176.25,71.6) U9.2
  B.Cu w0.152: P1.13 168.91,6.35 169.545,6.985 169.545,56.52 176.221,63.196 176.221,71.571 v1(176.25,71.6)
SWA1: SW1.2 U6.11 | length 108.3
  B.Cu w0.152: SW1.2 10.16,45.085 10.795,44.45 10.795,37.465 17.21,31.05 94.033,31.05 95.866,29.216 95.866,24.111 94.615,22.86 U6.11
SWA2: SW2.2 U6.12 | length 98.7
  B.Cu w0.152: SW2.2 22.86,45.085 23.495,44.45 23.495,38.1 30.24,31.355 94.159,31.355 96.171,29.342 96.171,21.241 95.25,20.32 U6.12
SWA3: SW3.2 U6.13 | length 92.5
  B.Cu w0.152: SW3.2 31.75,45.085 32.385,44.45 32.385,39.37 40.095,31.66 94.285,31.66 96.476,29.469 96.476,18.371 95.885,17.78 U6.13
SWA4: SW4.2 U6.14 | length 87
  B.Cu w0.152: SW4.2 40.64,45.085 41.275,44.45 41.275,39.37 48.62,32.025 94.351,32.025 96.781,29.595 96.781,15.501 96.52,15.24 U6.14
SWA5: SW5.2 U6.3 | length 74.1
  B.Cu w0.152: SW5.2 53.34,45.085 53.975,44.45 53.975,40.005 61.634,32.346 94.461,32.346 97.086,29.721 97.086,16.579 98.425,15.24 U6.3
SWA6: SW6.2 U6.4 | length 62.2
  B.Cu w0.152: SW6.2 62.23,45.085 62.865,44.45 62.865,40.64 70.854,32.651 94.587,32.651 97.39,29.848 97.39,19.45 99.06,17.78 U6.4
SWA7: SW7.2 U6.5 | length 54
  B.Cu w0.152: SW7.2 71.755,45.085 72.39,44.45 72.39,34.925 74.359,32.956 94.713,32.956 97.695,29.974 97.695,22.32 99.695,20.32 U6.5
SWA8: SW8.2 U6.6 | length 51.8
  F.Cu w0.152: v1(73.025,35.56) 73.025,44.45 73.66,45.085 SW8.2
  B.Cu w0.152: v1(73.025,35.56) 75.324,33.261 94.839,33.261 98,30.1 98,25.825 U6.6
SWB1: SW9.2 U7.11 | length 72.7
  F.Cu w0.152: SW9.2 85.09,45.085 84.455,44.45 84.455,38.1 86.73,35.825 v1(129.7,35.825)
  B.Cu w0.152: U7.11 128.731,22.86 130.85,24.979 130.85,34.675 v1(129.7,35.825)
SWB2: SW10.2 U7.12 | length 67
  F.Cu w0.152: SW10.2 93.98,45.085 93.345,44.45 93.345,38.735 95.43,36.65 v1(130.225,36.65)
  B.Cu w0.152: U7.12 128.731,20.32 131.155,22.744 131.155,35.72 v1(130.225,36.65)
SWB3: SW11.2 U7.13 | length 57.5
  F.Cu w0.152: SW11.2 106.68,45.085 106.045,44.45 106.045,39.37 108.065,37.35 v1(130.825,37.35)
  B.Cu w0.152: U7.13 128.731,17.78 131.46,20.509 131.46,36.69 130.825,37.325 v1(130.825,37.35)
SWB4: SW12.2 U7.14 | length 51.8
  F.Cu w0.152: SW12.2 115.57,45.085 114.935,44.45 114.935,40.005 116.84,38.1 v1(131.475,38.1)
  B.Cu w0.152: U7.14 128.731,15.24 131.764,18.274 131.764,37.811 v1(131.475,38.1)
SWB5: SW13.2 U7.3 | length 34.9
  F.Cu w0.152: SW13.2 130.915,45.085 132.1,43.9 v1(132.1,38.825)
  B.Cu w0.152: v1(132.1,38.825) 132.1,17.299 134.159,15.24 U7.3
SWB6: SW14.2 U7.4 | length 35.4
  B.Cu w0.152: U7.4 133.35,17.78 132.44,18.69 132.44,36.555 136.525,40.64 136.525,44.45 137.16,45.085 SW14.2
SWB7: SW15.2 U7.5 | length 42.2
  F.Cu w0.152: v1(133.35,36.195) 133.985,36.83 144.78,36.83 145.415,37.465 145.415,44.45 146.05,45.085 SW15.2
  B.Cu w0.152: v1(133.35,36.195) 132.745,35.59 132.745,21.56 133.985,20.32 U7.5
SWB8: SW16.2 U7.6 | length 47.2
  F.Cu w0.152: v1(133.985,35.56) 134.62,36.195 153.035,36.195 154.305,37.465 154.305,44.45 154.94,45.085 SW16.2
  B.Cu w0.152: v1(133.985,35.56) 133.05,34.625 133.05,24.43 134.62,22.86 U7.6
SWC1: RP5.2 SW17.3 U8.11 | length 22
  F.Cu w0.152: U8.11 15.92,16.555 15.92,23.97 17.965,26.015 RP5.2 20.333,25.983 27.742,25.983 SW17.3
SWC2: RP5.3 SW17.1 U8.12 | length 45.2
  F.Cu w0.152: U8.12 12.7,17.78 11.35,16.43 11.35,9.661 12.277,8.735 15.504,8.735 16.225,9.456 16.225,21.675 18,23.45 20.275,23.45 RP5.3 23.7,23.475 24.75,22.425 24.75,19.575 SW17.1
SWC3: RP5.4 SW18.3 U8.13 | length 69.3
  F.Cu w0.152: U8.13 12.065,20.32 11.045,19.3 11.045,9.535 12.15,8.43 15.63,8.43 16.53,9.33 16.53,19.955 17.51,20.935 RP5.4 20.315,20.95 22.7,20.95 24.125,19.525 24.125,15.381 25.277,14.229 32.773,14.229 44.494,25.95 SW18.3
SWC4: RP5.5 SW18.1 U8.14 | length 64.2
  F.Cu w0.152: U8.14 11.43,22.86 10.74,22.17 10.74,9.409 12.024,8.125 15.756,8.125 16.835,9.204 16.835,17.535 17.695,18.395 RP5.5 20.345,18.35 22.05,18.35 23.82,16.58 23.82,15.255 25.15,13.925 42.025,13.925 SW18.1
SWC5: RP5.6 SW19.3 U8.3 | length 80.3
  F.Cu w0.152: U8.3 9.525,22.86 10.436,21.949 10.436,9.283 11.918,7.8 15.862,7.8 17.139,9.077 17.139,14.539 18.455,15.855 RP5.6 22.67,15.855 24.905,13.62 48.745,13.62 SW19.3
SWC6: RP5.7 SW19.1 U8.4 | length 70.8
  F.Cu w0.152: U8.4 8.89,20.32 10.131,19.079 10.131,9.156 11.798,7.489 15.982,7.489 17.444,8.951 17.444,12.144 18.615,13.315 RP5.7 57.84,13.315 SW19.1
SWC7: RP5.8 SW20.3 U8.5 | length 86.8
  F.Cu w0.152: U8.5 9.826,14.939 9.826,9.03 11.683,7.174 16.098,7.174 17.749,8.825 17.749,9.724 18.8,10.775 RP5.8 22.2,10.775 24.435,13.01 64.735,13.01 SW20.3
SWC8: RP5.9 SW20.1 U8.6 | length 80.4
  F.Cu w0.152: U8.6 9.521,12.704 9.521,8.904 11.575,6.85 16.205,6.85 17.59,8.235 RP5.9 21.885,8.235 26.355,12.705 73.83,12.705 SW20.1
SWITCH_CS: P1.2 U6.15 U7.15 U8.15 | length 229.4
  F.Cu w0.152: U8.15 13.335,25.4 12.7,26.035 12.7,29.845 13.52,30.665 82.848,30.665 84.455,29.058 v1(84.455,20.32) ; v1(86.36,19.685) 86.36,33.02 87.63,34.29 P1.2 ; U6.15 94.615,13.97 126.365,13.97 U7.15
  B.Cu w0.152: v1(84.455,20.32) 85.09,19.685 v1(86.36,19.685) 88.9,19.685 90.805,17.78 90.805,13.335 91.44,12.7 U6.15
SWITCH_LOAD: P1.1 U6.1 U7.1 U8.1 | length 233.6
  F.Cu w0.152: U8.1 6.985,29.845 8.11,30.97 82.974,30.97 85.09,28.854 v1(85.09,12.7) ; v1(134.62,2.54) 135.255,3.175 v1(135.255,5.08) ; v1(167.64,5.08) 168.275,5.715 v1(168.275,36.195)
  B.Cu w0.152: v1(85.09,12.7) 89.535,8.255 99.06,8.255 U6.1 100.965,4.445 102.87,2.54 v1(134.62,2.54) 165.1,2.54 v1(167.64,5.08) ; v1(135.255,5.08) U7.1 ; P1.1 167.64,36.83 v1(168.275,36.195)
VCC: P1.10 SW1.3 SW2.3 SW3.3 SW4.3 SW5.3 SW6.3 SW7.3 SW8.3 SW9.3 SW10.3 SW11.3 SW12.3 SW13.3 SW14.3 SW15.3 SW16.3 SW17.2 SW18.2 SW19.2 SW20.2 U1.16 U2.16 U3.16 U4.16 U5.7 U5.8 U6.16 U7.16 U8.16 | length 425.4
  F.Cu w0.152: SW1.3 SW2.3 SW3.3 SW4.3 SW5.3 SW6.3 SW7.3 SW8.3 SW9.3 SW10.3 SW11.3 SW12.3 SW13.3 SW14.3 SW15.3 SW16.3 161.67,49.785 U5.8
  F.Cu w0.5: U6.16 93.345,6.985 v1(93.98,6.35) 104.14,6.35 104.775,6.985 ; U3.16 104.775,6.985 ; U1.16 116.205,6.985 ; U7.16 127.635,6.985 ; U4.16 139.065,6.985 ; U2.16 150.495,6.985 ; P1.10 162.56,13.97 161.29,12.7 161.29,6.985 160.655,6.35 151.13,6.35 150.495,6.985 ; 104.775,6.985 105.41,6.35 115.57,6.35 116.205,6.985 ; 116.205,6.985 116.84,6.35 127,6.35 127.635,6.985 ; 127.635,6.985 128.27,6.35 138.43,6.35 139.065,6.985 ; 139.065,6.985 139.7,6.35 149.86,6.35 150.495,6.985
  B.Cu w0.152: U5.7 U5.8 165.735,47.625 166.37,48.26 166.37,57.15 165.1,58.42 162.56,58.42 161,56.86 161,15.175 162.205,13.97 P1.10
  B.Cu w0.5: U8.16 16.715,30.05 27.2,30.05 30.35,26.9 30.35,23.825 SW17.2 27.79,21.235 SW18.2@44.825,21.235 ; SW18.2 SW19.2 SW20.2 81,21.25 82.75,19.5 82.75,13 89.4,6.35 v1(93.98,6.35)
VCC33: P1.12 U9.4 | length 69.7
  F.Cu w0.152: v1(175.225,69.4) U9.4
  B.Cu w0.152: P1.12 165.946,8.89 168.804,11.747 168.804,56.729 175.225,63.15 v1(175.225,69.4)
"": 
pads on no net: REF**.0 U6.7 U7.7 U8.7 U9.1 U9.8 U9.9 U9.10 U9.S1 U9.S2 U9.S3 U9.S4

## Polygon pours and split planes (outlines as drawn)
GND on B.Cu "B.Cu-GND" (solid, remove dead copper, pour order 0): 1.27,97.79 1.27,1.27 179.705,1.27 179.705,97.79

## Keep-outs
Edge.Cuts:
  lines w0.15: 0,1.27 ccw(c1.27,1.27) 1.27,0 ; 0,1.27 ccw(c1.27,1.27) 1.27,0 ; 0,1.27 0,97.79 ; 0,1.27 0,97.79 ; 0,97.79 cw(c1.27,97.79) 1.27,99.06 ; 0,97.79 cw(c1.27,97.79) 1.27,99.06 ; 1.27,0 179.705,0 ; 1.27,0 179.705,0 ; 1.27,99.06 179.705,99.06 ; 1.27,99.06 179.705,99.06 ; 179.705,0 ccw(c179.705,1.27) 180.975,1.27 ; 179.705,0 ccw(c179.705,1.27) 180.975,1.27 ; 179.705,99.06 cw(c179.705,97.79) 180.975,97.79 ; 179.705,99.06 cw(c179.705,97.79) 180.975,97.79 ; 180.975,1.27 180.975,97.79 ; 180.975,1.27 180.975,97.79

## Silkscreen, mask and mechanical layers (free items; w line width, h text height)
F.SilkS:
  circle w0.25: c177,95 r3
  circle w0.25: c177,4 r3
  circle w0.25: c4,80 r3
  circle w0.25: c4,4 r3
  text "MEMR" at 3.5,86.5 h4
  text "INP" at 12.25,86.5 h4
  text "MI" at 21.25,86.5 h4
  text "OUT" at 30,86.5 h4
  text "HLTA" at 39.25,86.5 h4
  text "STACK" at 48,86.5 h4
  text "WO" at 57,86.5 h4
  text "INT" at 65.75,86.5 h4
  text "D7" at 86,86.5 h4
  text "D6" at 95,86.5 h4
  text "D5" at 107.75,86.5 h4
  text "D4" at 116.75,86.5 h4
  text "D3" at 125.5,86.5 h4
  text "D2" at 138.25,86.5 h4
  text "D1" at 147,86.5 h4
  text "D0" at 156,86.5 h4
  text "Arduair 8800 Rev 2.0 / By Daniel Karling / MSFT Revision 1.1" at 162.675,76.95 h3
  text "A15" at 3.5,64.25 h4
  text "A14" at 16.25,64.25 h4
  text "A13" at 25.25,64.25 h4
  text "A12" at 34.25,64.25 h4
  text "A11" at 46.75,64.25 h4
  text "A10" at 55.75,64.25 h4
  text "A9" at 64.5,64.25 h4
  text "A8" at 77.25,64.25 h4
  text "A7" at 86,64.25 h4
  text "A6" at 95,64.25 h4
  text "A5" at 107.75,64.25 h4
  text "A4" at 116.75,64.25 h4
  text "A3" at 125.5,64.25 h4
  text "A2" at 138.25,64.25 h4
  text "A1" at 147,64.25 h4
  text "A0" at 156,64.25 h4
  text "1" at 167.005,36.195 h2
  text "2" at 167.005,33.655 h2
  text "13" at 25.25,33.5 h4
  text "12" at 34,33.5 h4
  text "11" at 46.75,33.5 h4
  text "10" at 55.75,33.5 h4
  text "9" at 64.5,33.5 h4
  text "8" at 77.25,33.5 h4
  text "7" at 86.25,33.5 h4
  text "6" at 95,33.5 h4
  text "5" at 107.75,33.5 h4
  text "4" at 116.75,33.5 h4
  text "3" at 125.5,33.5 h4
  text "2" at 138.25,33.5 h4
  text "1" at 147.25,33.5 h4
  text "0" at 156,33.5 h4
  text "15" at 3.5,33.25 h4
  text "14" at 16.25,33.25 h4
  text "3" at 167.005,31.135 h2
  text "STOP" at 25.25,29.5 h4
  text "SINGLE STEP" at 38,28.75 h4
  text "EXAMINE" at 54.5,28.75 h4
  text "DEPOSIT" at 71,28.75 h4
  text "4" at 167.005,28.575 h2
  text "5" at 167.005,26.055 h2
  text "6" at 167.005,23.515 h2
  text "7" at 167.005,20.975 h2
  text "8" at 167.005,18.435 h2
  text "9" at 167.005,15.875 h2
  text "10" at 167.005,13.355 h2
  text "11" at 167.005,10.795 h2
  text "RUN" at 25,9.75 h4
  text "EXAMINE NEXT" at 54,9 h4
  text "DEPOSIT NEXT" at 70.5,9 h4
  text "12" at 167.005,8.255 h2
  text "13" at 167.005,5.735 h2